# Altium PCB PiezoControlBoard.PcbDoc (part 1 of 2)
Units mm, origin at the board's own origin, x right, y up, seen from the top; angles counter-clockwise.
Board outline 90 x 115 mm, 4 copper layers (SIGNAL TOP, GND, PWR, SIGNAL BOT), stack 1.59 mm thick; 145 components, 86 nets, 512 pads, 287 vias.
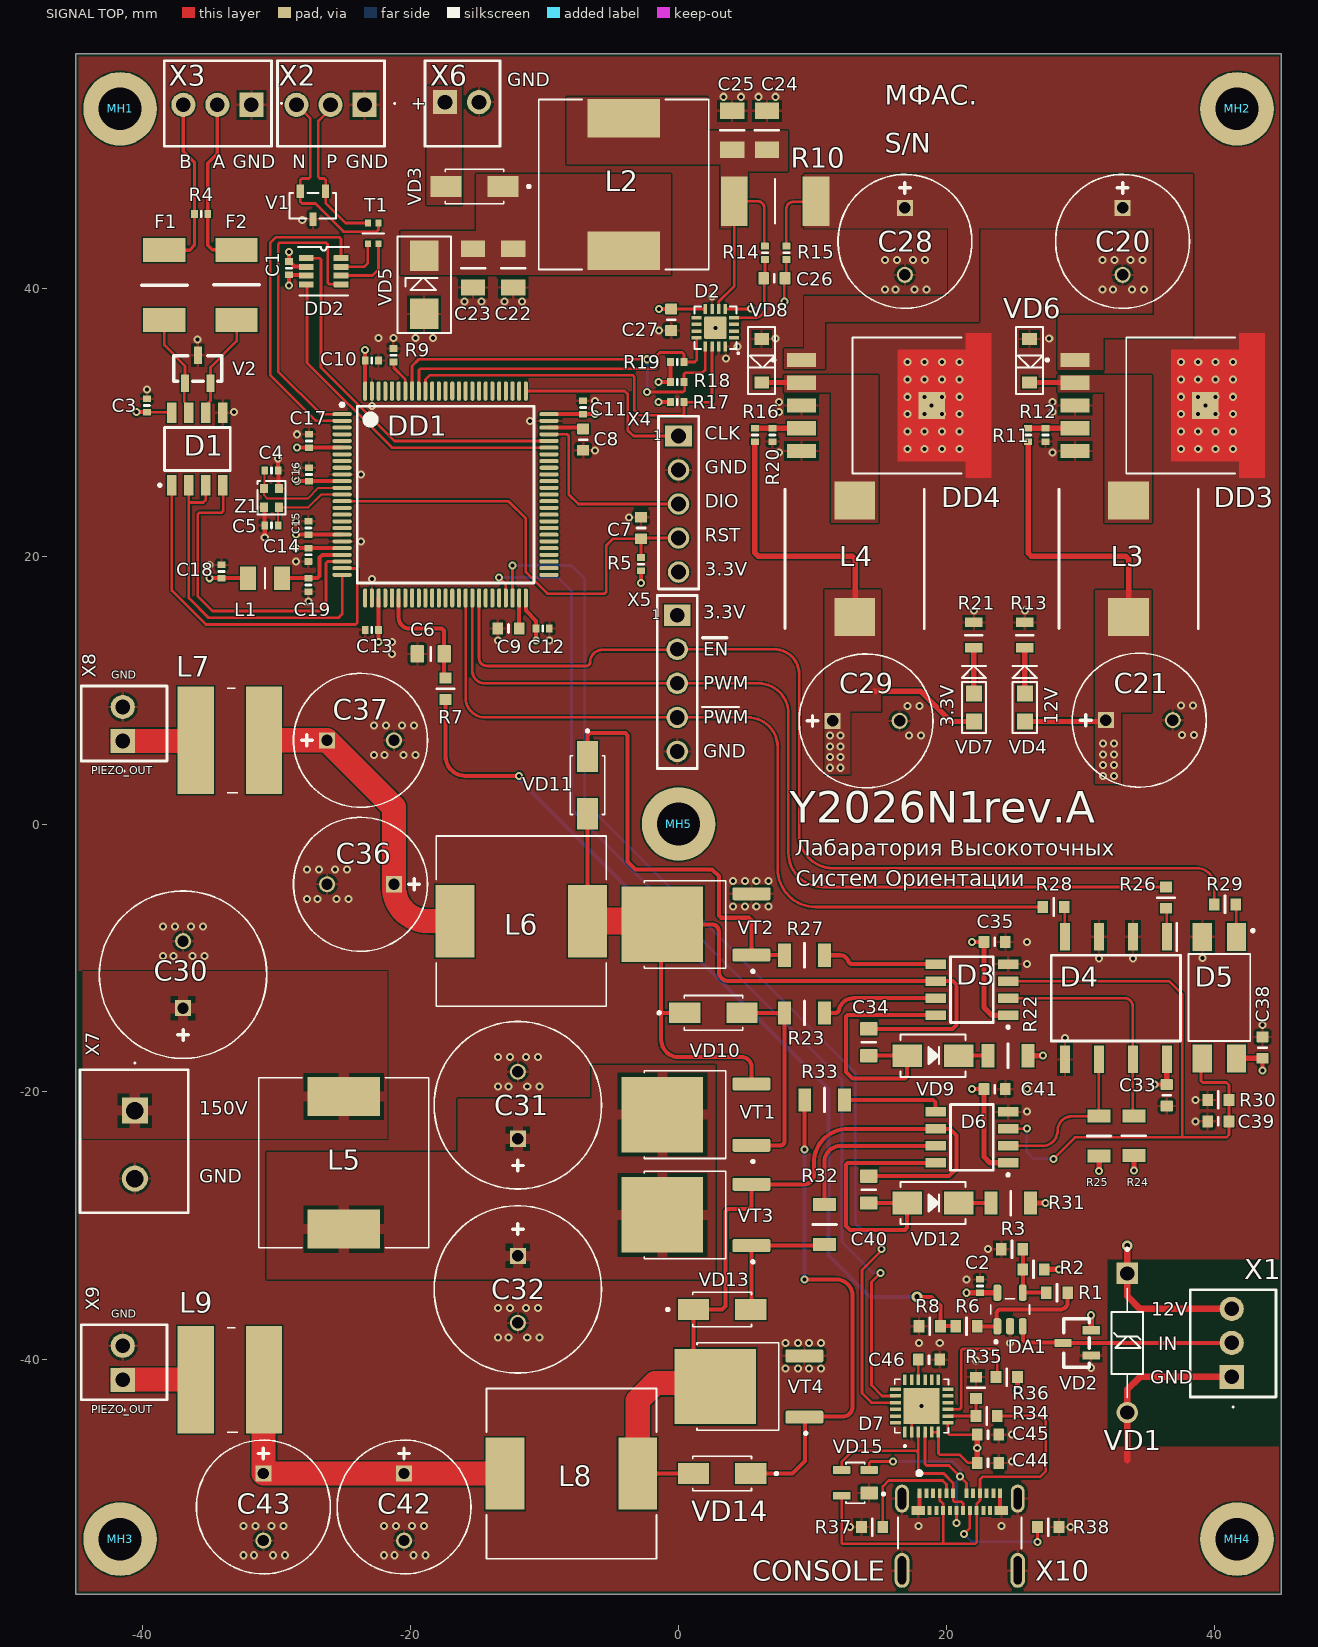
[diagram p0: SIGNAL TOP view]
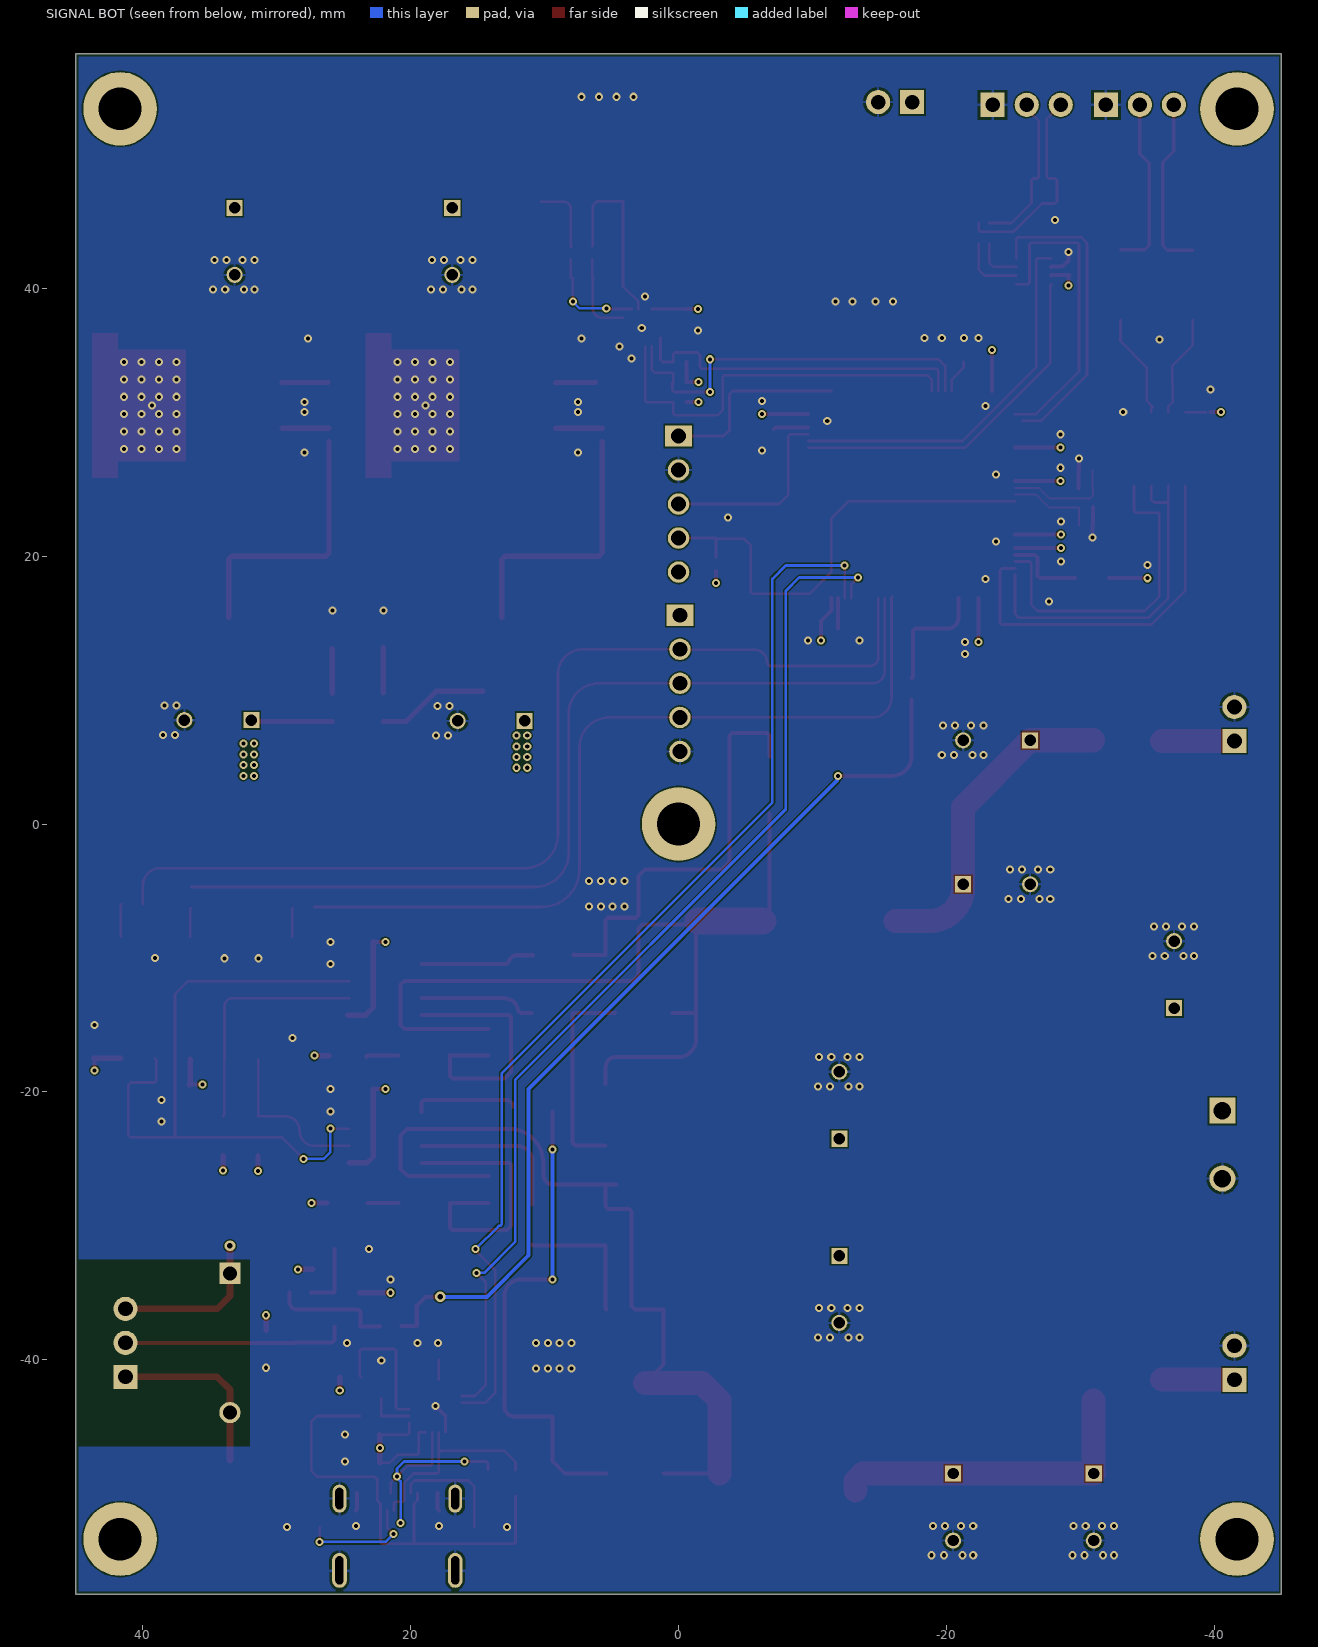
[diagram p1: SIGNAL BOT view, seen from below]
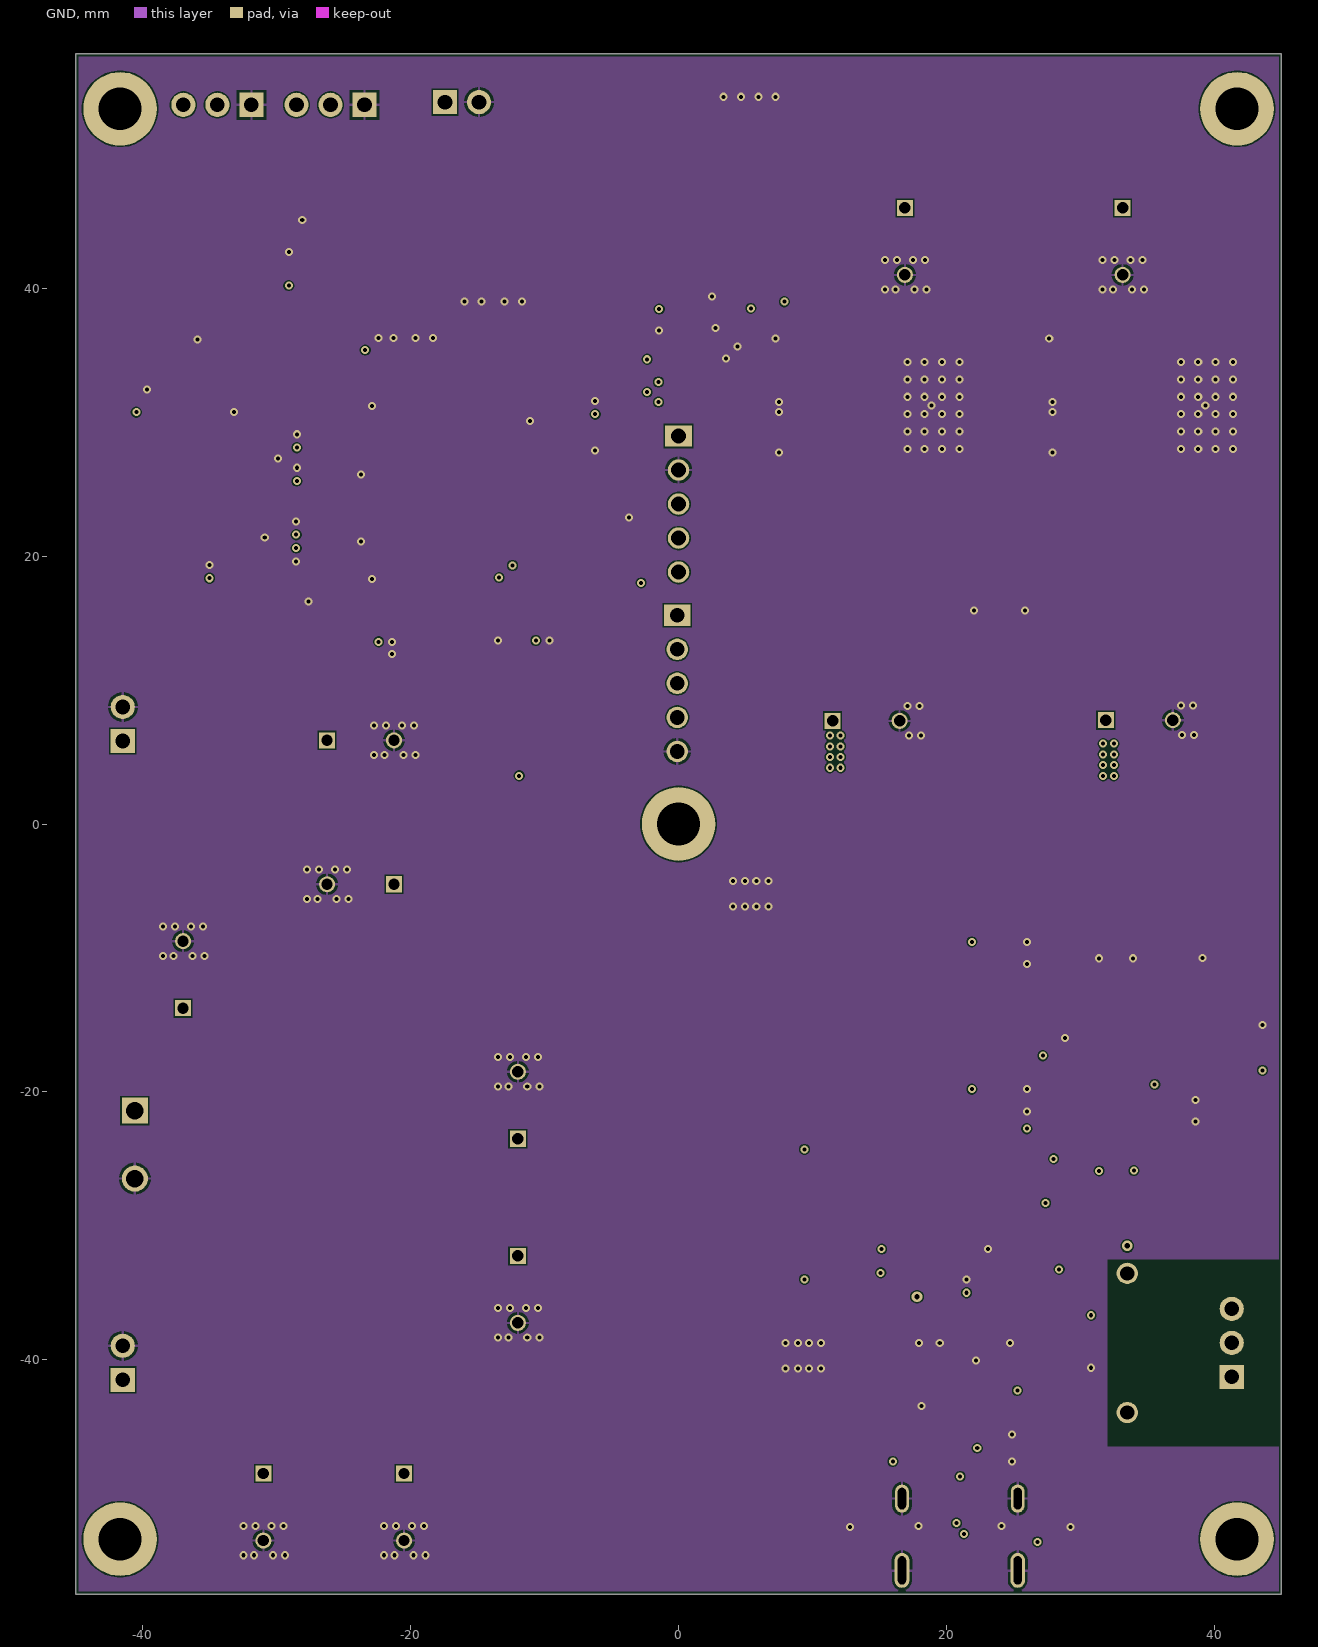
[diagram p2: GND]
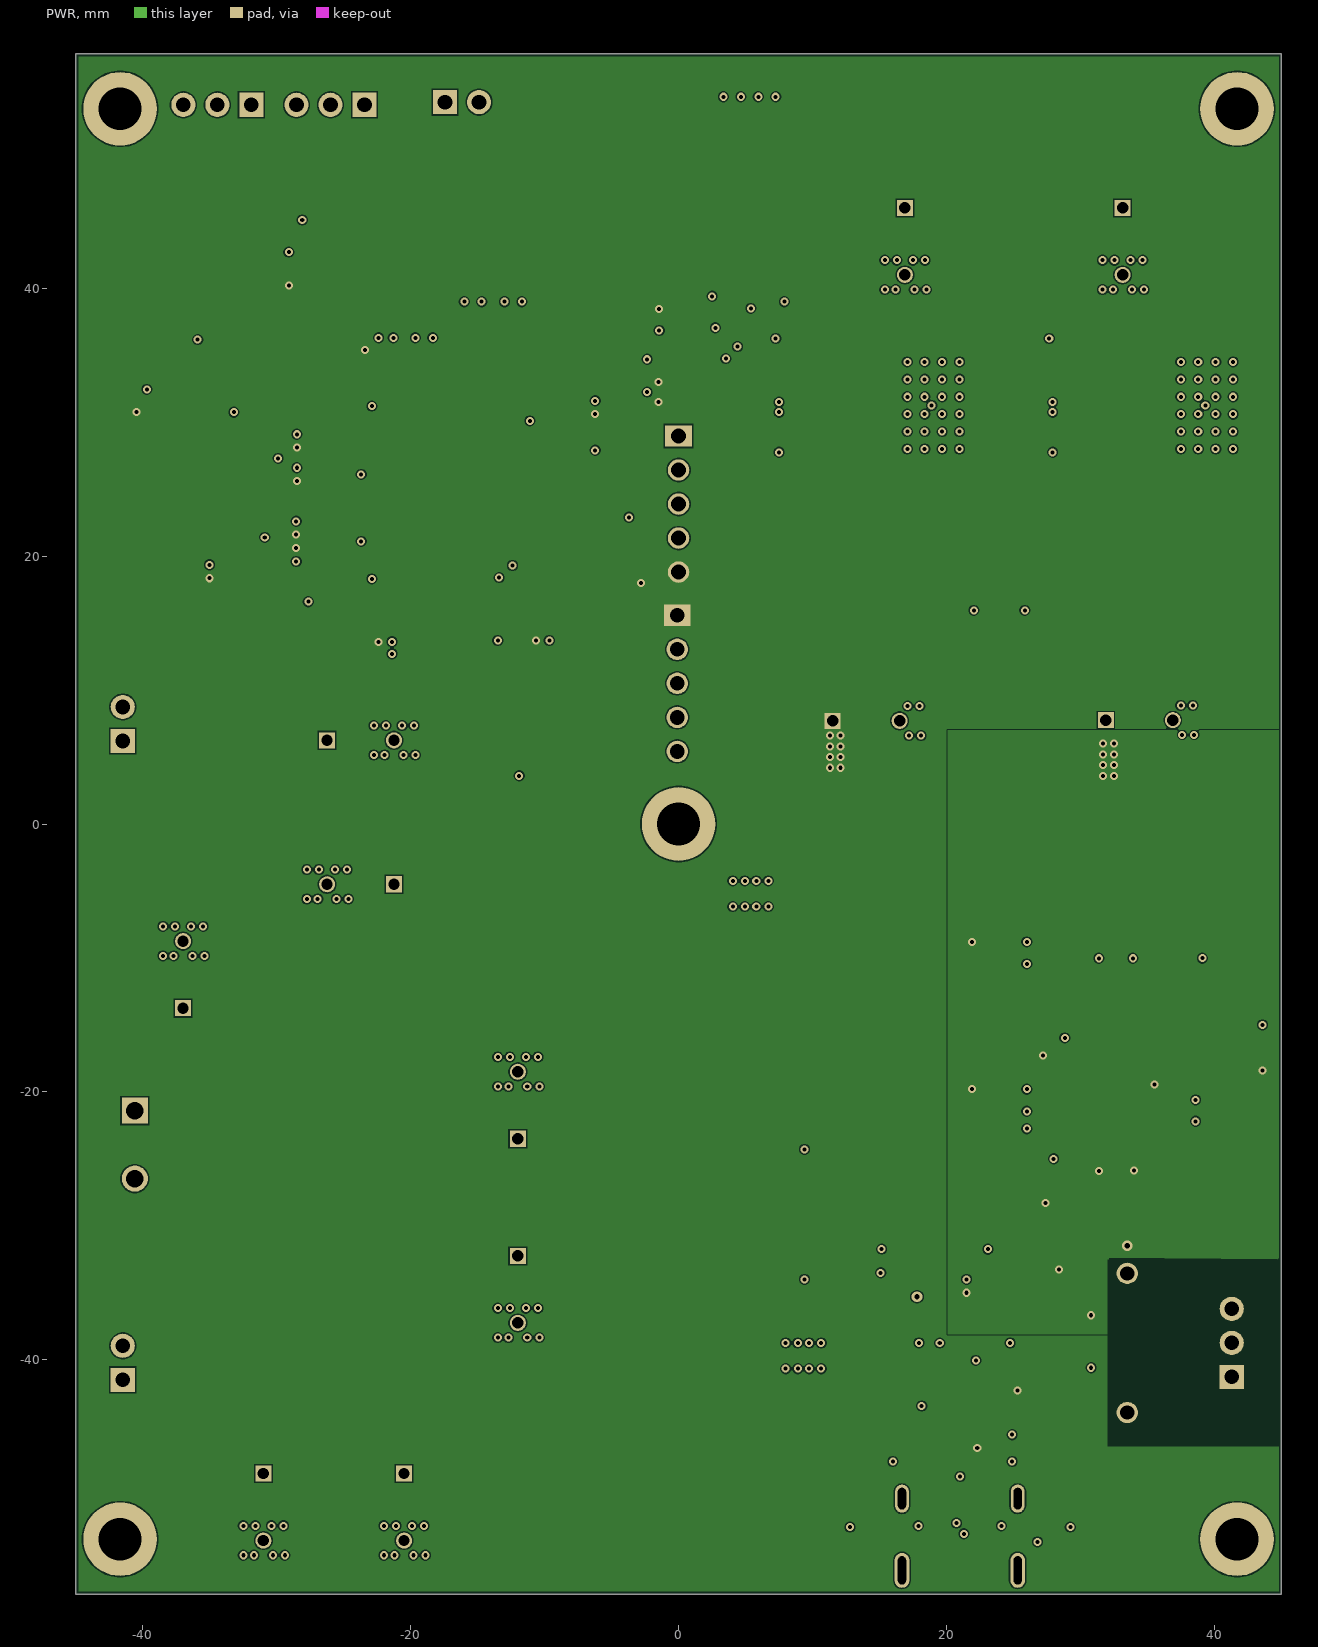
[diagram p3: PWR]
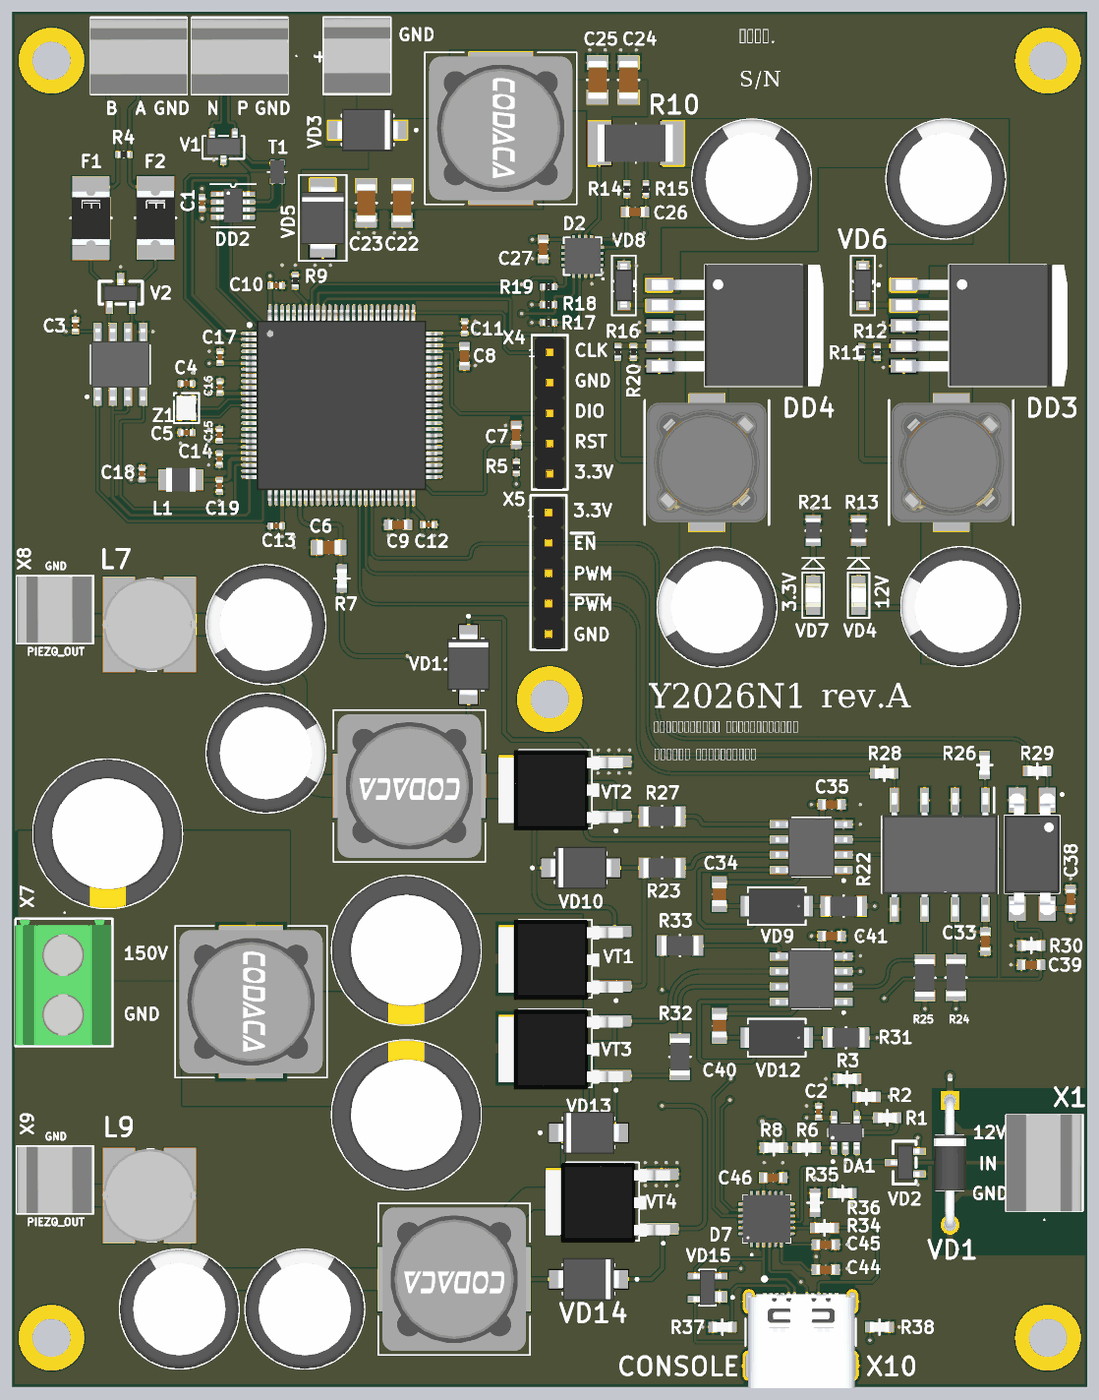
[diagram p5: 3D render of the assembled board from above, using the file's embedded part models]

## Layer stack, top to bottom
Top Solder: solder mask 0.01, Solder Resist, Dk 3.5
SIGNAL TOP: signal copper 0.035
Dielectric 2: prepreg 0.125, PP-006, Dk 4.1
GND: signal copper 0.035
Dielectric 1: dielectric 1.2, FR-4, Dk 4.8
PWR: signal copper 0.035
Dielectric 3: prepreg 0.125, PP-006, Dk 4.1
SIGNAL BOT: signal copper 0.035
Bot Solder: solder mask 0.01, Solder Resist, Dk 3.5

## Board outline
-45,-57.5 -45,57.5 45,57.5 45,-57.5

## Design rules (kind name [scope] priority, off if disabled: settings)
BoardOutlineClearance [All] p1: gap=0.2 ignorepadtopadclearanceinfootprint=FALSE
Clearance [All] p1: gap=0.1 ignorepadtopadclearanceinfootprint=FALSE
DiffPairsRouting [All] p1: maxlimit=0.4 minlimit=0.2 mostfreqgap=0.4 toplayer_mingap=0.4 toplayer_minwidth=0.2 toplayer_maxwidth=0.2 toplayer_prefwidth=0.2 bottomlayer_mingap=0.4 bottomlayer_minwidth=0.2 bottomlayer_maxwidth=0.2 bottomlayer_prefwidth=0.2 impedanceprofiledriven=TRUE impedanceprofileid={055DAC7E-D55A-460F-9663-2A1CB5194721} impedanceprofilevalue=100.000000 maxuncoupledlength=12.7
HoleSize [All] p1: absolutevalues=TRUE maxlimit=6 minlimit=0.2 maxpercent=80.000 minpercent=20.000
HoleToHoleClearance [All] p1: gap=0.2 allowstackedmicrovias=TRUE
MinimumSolderMaskSliver [All] p1: minsoldermaskwidth=0.1
PasteMaskExpansion [All] p1: expansion=-0.025
PlaneClearance [All] p1: clearance=0.25
PlaneConnect [All] p1: pad.planeconnectstyle=Relief pad.reliefexpansion=0.2 pad.reliefentries=4 pad.reliefconductorwidth=0.2 pad.reliefairgap=0.2 via.planeconnectstyle=Direct via.reliefexpansion=0.508 via.reliefentries=4 via.reliefconductorwidth=0.254 via.reliefairgap=0.254
PolygonConnect PolygonConnect@HV [InNetClass('HIGH_VOLTAGE')] p1: connectstyle=Relief reliefconductorwidth=0.8 reliefentries=4 polygonreliefangle="90 Angle" airgapwidth=0.3
PolygonConnect PWR_NET [InNetClass('POWER_NET')] p2: connectstyle=Direct reliefconductorwidth=0.254 reliefentries=4 polygonreliefangle="90 Angle" airgapwidth=0.254
PolygonConnect [All] p3: thpad.connectstyle=Relief thpad.reliefconductorwidth=0.2 thpad.reliefentries=4 thpad.polygonreliefangle="90 Angle" thpad.airgapwidth=0.2 smdpad.connectstyle=Relief smdpad.reliefconductorwidth=0.2 smdpad.reliefentries=4 smdpad.polygonreliefangle="90 Angle" smdpad.airgapwidth=0.2 via.connectstyle=Direct via.reliefconductorwidth=0.2 via.reliefentries=4 via.polygonreliefangle="90 Angle" via.airgapwidth=0.2
RoutingVias [All] p1: holewidth=0.3 width=0.6 viastyle="Through Hole" minholewidth=0.3 minwidth=0.6 maxholewidth=0.6 maxwidth=3
SilkToSilkClearance [All] p1: silktosilkclearance=0
SilkToSolderMaskClearance [IsPad] p1: minsilkscreentomaskgap=0.1 clearancetoexposedcopper=TRUE
SolderMaskExpansion Via [IsVia] p1: expansion=0.102 istentingtop=TRUE
SolderMaskExpansion [All] p2: expansion=0.025 istentingtop=FALSE
Width [All] p1: maxlimit=2 minlimit=0.125 preferedwidth=0.15
21 further rules are at their usual default settings.

## Classes and differential pairs
net class HIGH_VOLTAGE: +150V +150V_FILT
net class POWER_NET: +3.3V +12V NetC20_P NetC22_2 NetDD3_2 NetDD4_2 NetVD3_A PWR_IN pwr_in_filt
component class Power_Management: C20 C21 C22 C23 C24 C25 C26 C27 C28 C29 D2 DD3 DD4 L2 L3 L4 MH1 MH2 MH3 MH4 MH5 R10 R11 R12 R13 R14 R15 R16 R17 R18 R19 R20 R21 VD3 VD4 VD5 VD6 VD7 VD8 X6
component class MCU_Control: C1 C2 C3 C4 C5 C6 C7 C8 C9 C10 C11 C12 C13 C14 C15 C16 C17 C18 C19 D1 DA1 DD1 DD2 F1 F2 L1 R1 R2 R3 R4 R5 R6 R7 R8 R9 T1 V1 V2 VD1 VD2 X1 X2 X3 X4 X5 Z1
component class HV_Piezo_Driver: C30 C31 C32 C33 C34 C35 C36 C37 C38 C39 C40 C41 C42 C43 D3 D4 D5 D6 L5 L6 L7 L8 L9 R22 R23 R24 R25 R26 R27 R28 R29 R30 R31 R32 R33 VD9 VD10 VD11 VD12 VD13 VD14 VT1 VT2 VT3 VT4 X7 X8 X9
component class Console: C44 C45 C46 D7 R34 R35 R36 R37 R38 VD15 X10
differential pair CAN_1: +CAN_1_P -CAN_1_N
differential pair CAN_1F: +CAN_1F_P -CAN_1F_N
